# Altium PCB Prometheus.PcbDoc (part 1 of 2)
Units mm, origin at the board's own origin, x right, y up, seen from the top; angles counter-clockwise.
Board outline 87.63 x 93.35 mm, 2 copper layers (Top Layer, Bottom Layer), stack 1.58 mm thick; 78 components, 51 nets, 376 pads, 577 vias.
Unrouted connection lines stored in the file: 10.
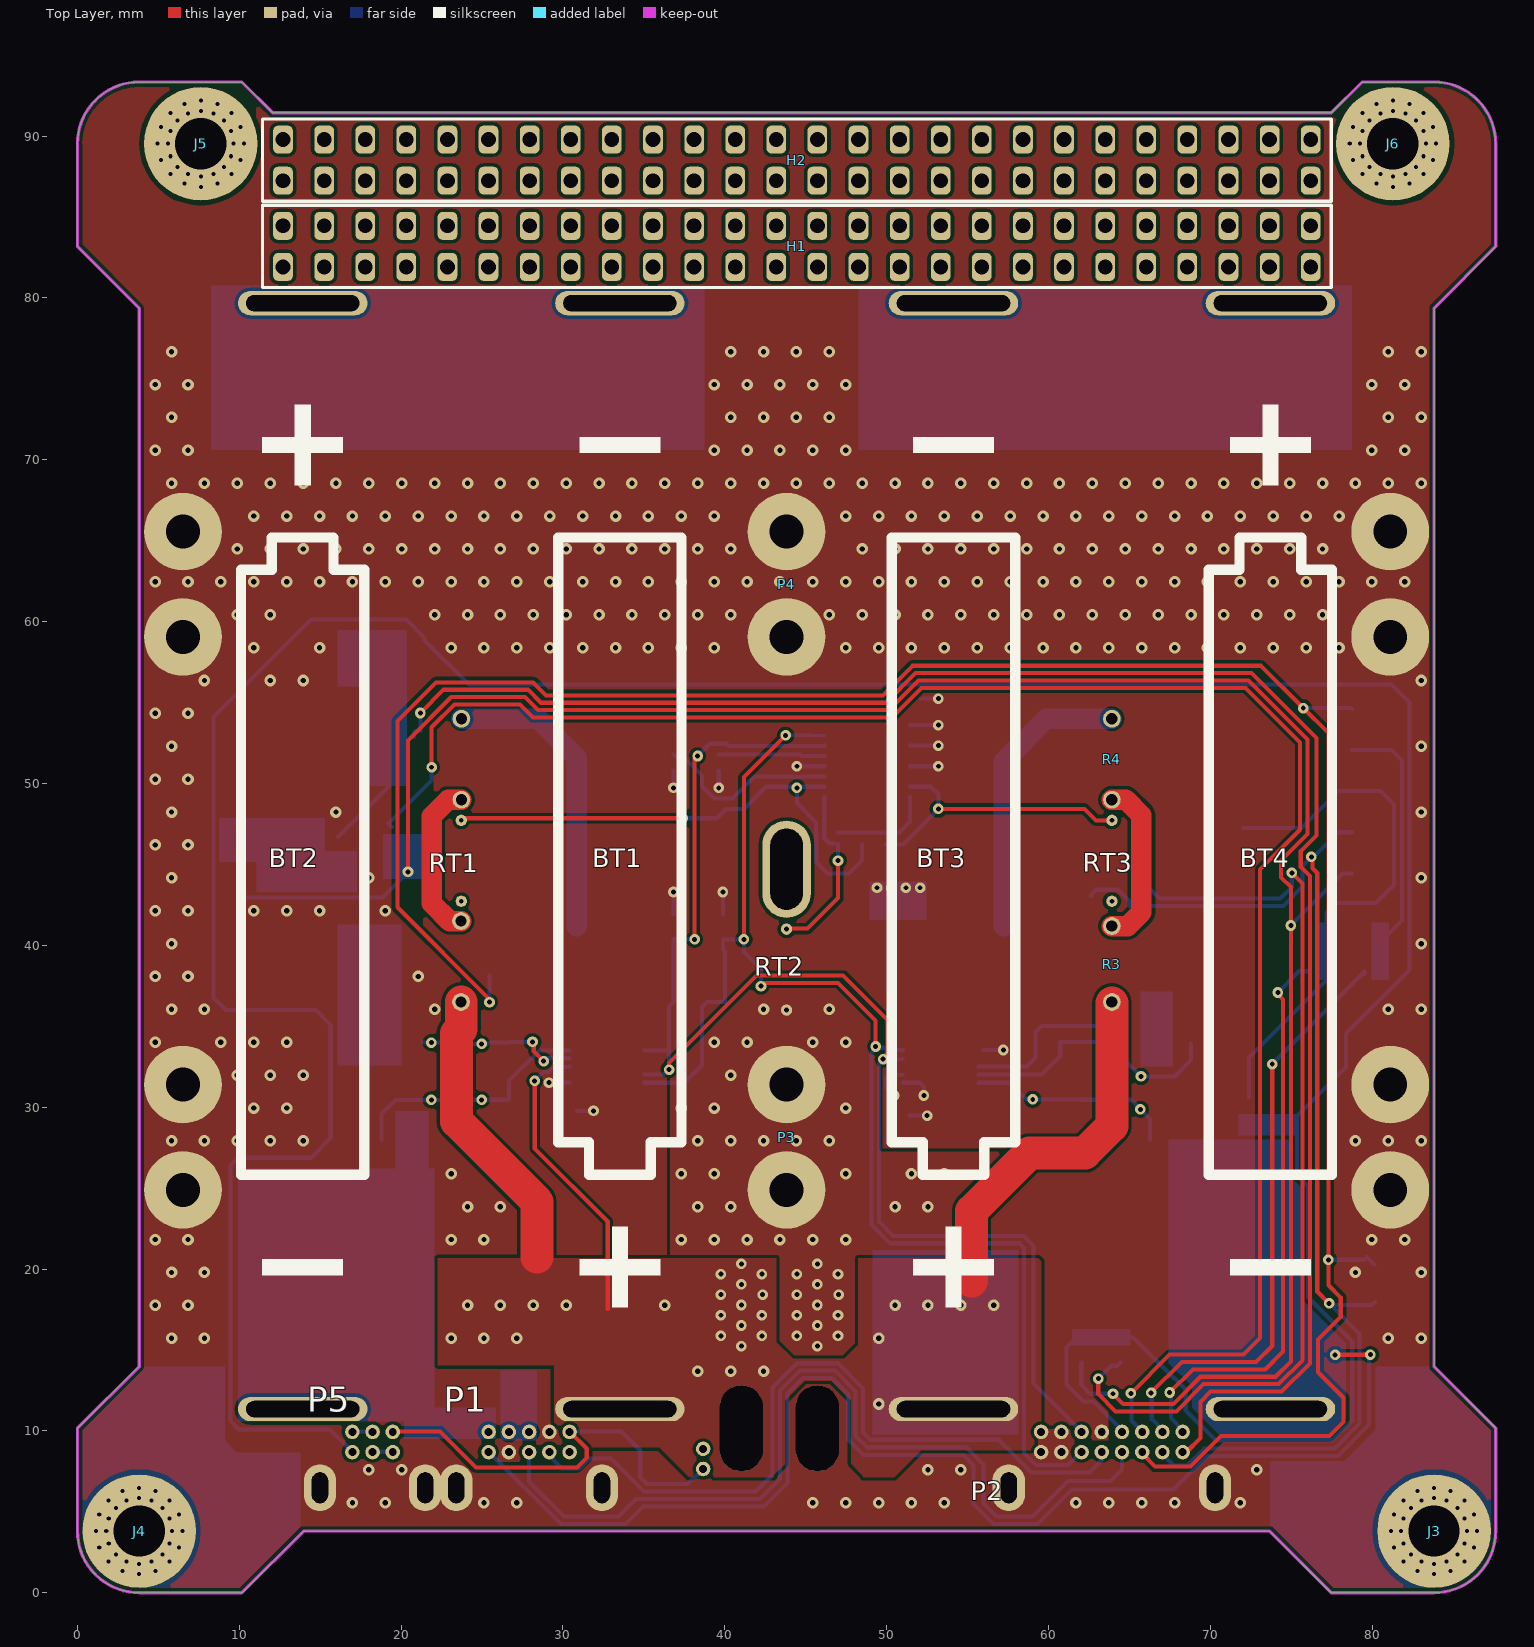
[diagram p0: Top Layer view]
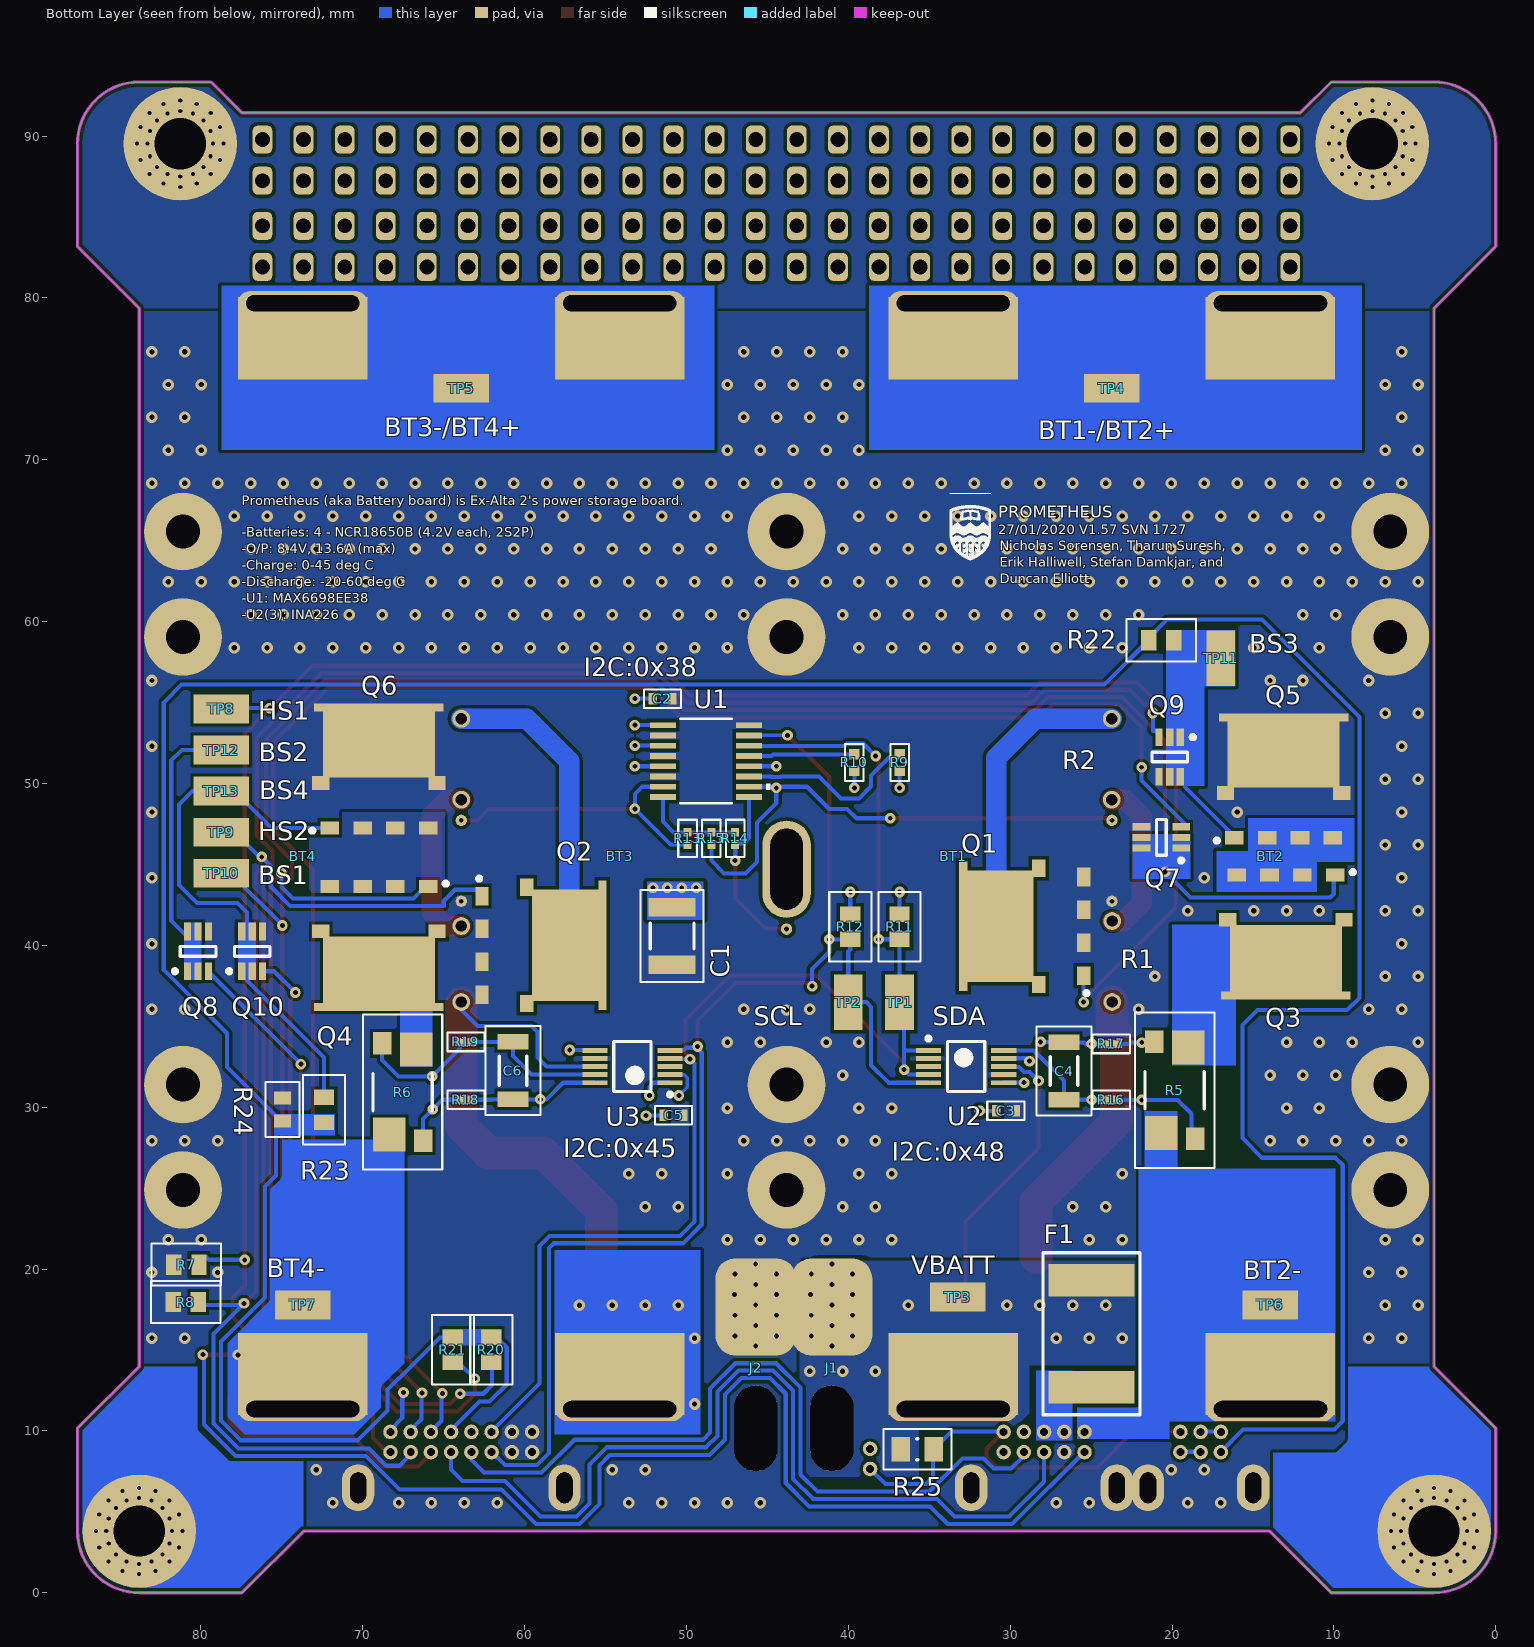
[diagram p1: Bottom Layer view, seen from below]
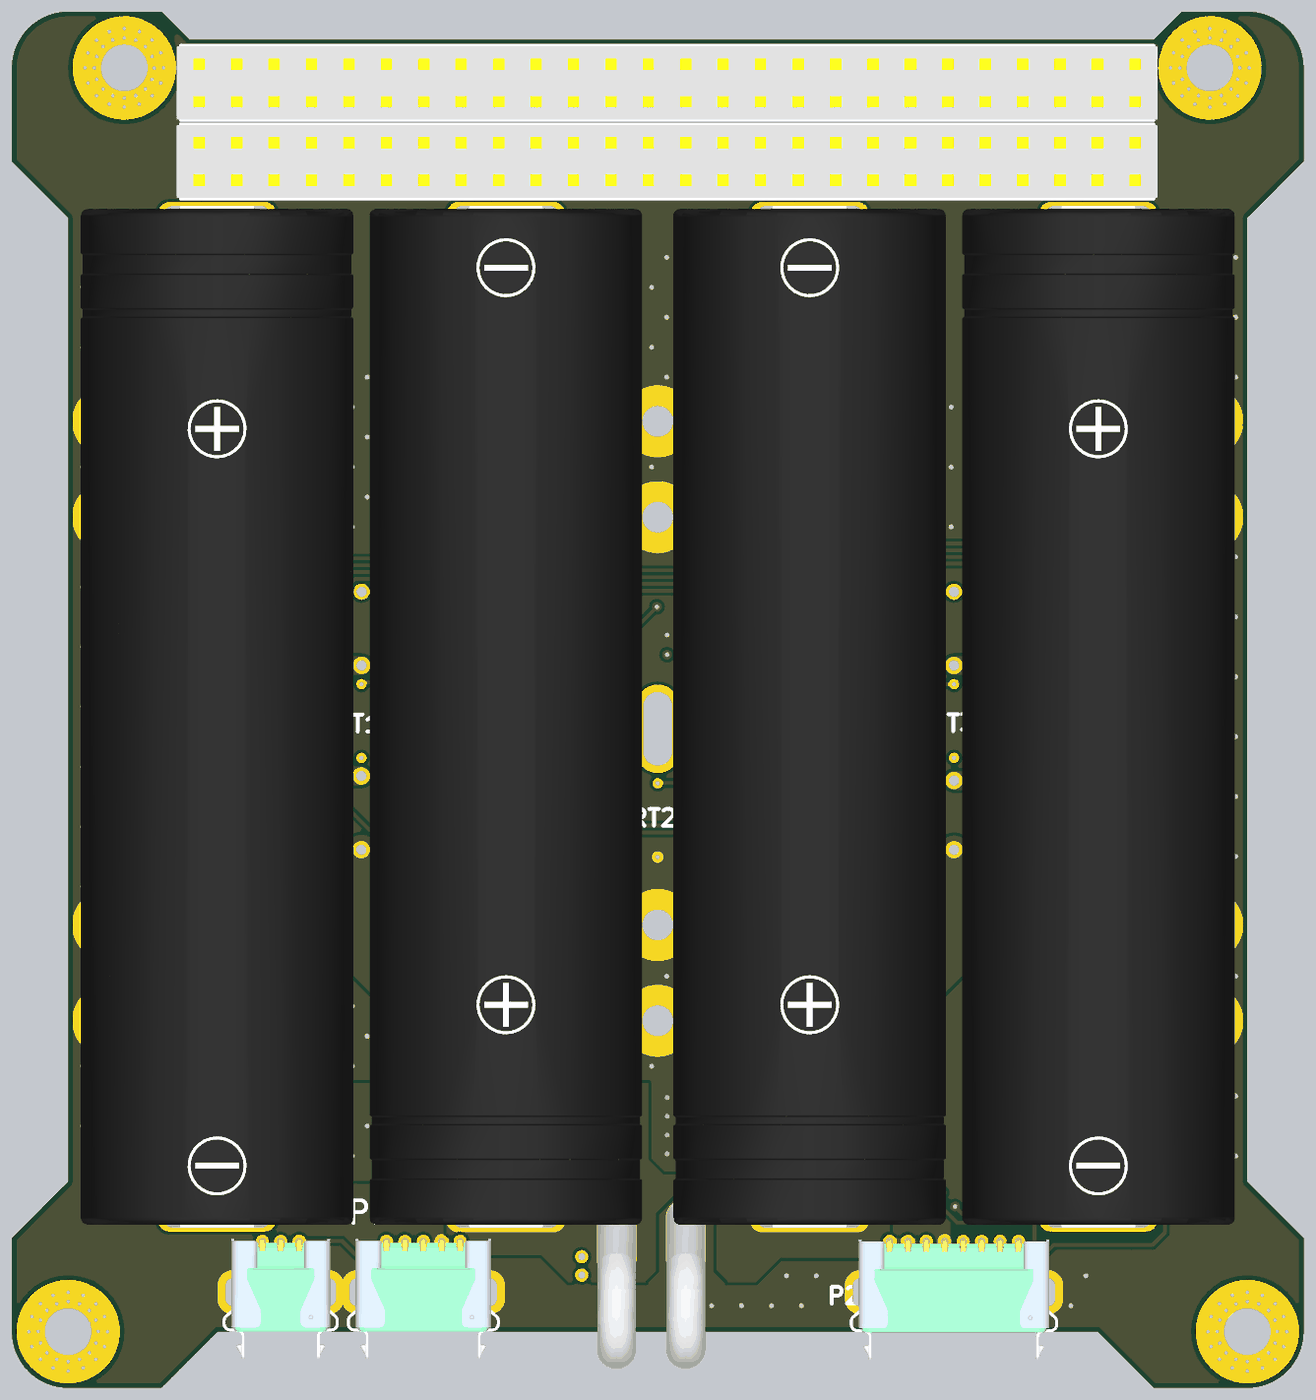
[diagram p3: 3D render of the assembled board from above, using the file's embedded part models]

## Layer stack, top to bottom
Top Solder: solder mask 0.0102, Solder Resist, Dk 3.5
Top Layer: signal copper 0.0711
Dielectric 1: dielectric 1.4376, FR-4, Dk 4.6
Bottom Layer: signal copper 0.0711
Bottom Solder: solder mask 0.0102, Solder Resist, Dk 3.5

## Board outline
0,3.81 ccw(c3.81,3.81) 3.81,0 10.16,0 13.97,3.81 73.66,3.81 77.47,0 83.82,0 ccw(c83.82,3.81) 87.63,3.81 87.63,10.16 83.82,13.97 83.82,79.375 87.63,83.185 87.63,89.535 ccw(c83.82,89.535) 83.82,93.345 79.375,93.345 77.47,91.44 12.065,91.44 10.16,93.345 3.81,93.345 ccw(c3.81,89.535) 0,89.535 0,83.185 3.81,79.375 3.81,13.97 0,10.16

## Design rules (kind name [scope] priority, off if disabled: settings)
AcuteAngle [All] p1 off: minimum=6.00000000000000E+0001 checktracksonly=FALSE
BoardOutlineClearance [All] p1: gap=0 ignorepadtopadclearanceinfootprint=FALSE
Clearance [All] p1: gap=0.203 ignorepadtopadclearanceinfootprint=FALSE
ComponentClearance [All] p1: gap=0 collisioncheckmode=3 verticalgap=0 showdistances=TRUE
Height HeightTop [OnLayer('Component Side')] p1: minheight=0 maxheight=7 prefheight=4
Height HeightBottom [OnLayer('Solder Side')] p2: minheight=0 maxheight=4 prefheight=4
HoleSize [All] p1: absolutevalues=TRUE maxlimit=10.16 minlimit=0.229 maxpercent=80.000 minpercent=20.000
MinimumAnnularRing [All] p1: minimumring=0.152
MinimumSolderMaskSliver [All] p1: minsoldermaskwidth=0.1
PlaneClearance [All] p1: clearance=0.254
PlaneConnect [All] p1: planeconnectstyle=Direct reliefexpansion=0.508 reliefentries=4 reliefconductorwidth=0.254 reliefairgap=0.254
PolygonConnect PolygonConnect_1 [IsVia] p1: connectstyle=Direct reliefconductorwidth=0.254 reliefentries=4 polygonreliefangle="90 Angle" airgapwidth=0.254
PolygonConnect [All] p2: connectstyle=Direct reliefconductorwidth=0.254 reliefentries=4 polygonreliefangle="90 Angle" airgapwidth=0.254
RoutingVias [All] p1: holewidth=0.25 width=0.655 viastyle="Through Hole" minholewidth=0.25 minwidth=0.655 maxholewidth=0.711 maxwidth=1.27
SMDEntry [All] p1: side=TRUE corner=TRUE anyangle=TRUE
SMDNeckDown [All] p1: percent=100.000
SMDToCorner [All] p1: distance=0
SMDToPlane [All] p1: distance=0
SilkToSilkClearance [All] p1 off: silktosilkclearance=0.152
SilkToSolderMaskClearance [IsPad] p1 off: minsilkscreentomaskgap=0.13 clearancetoexposedcopper=TRUE
SolderMaskExpansion [All] p1: expansion=0.038 istentingtop=FALSE
UnConnectedPin [All] p1 off:
UnRoutedNet [All] p1 off:
Width [All] p1: maxlimit=2.54 minlimit=0.203 preferedwidth=0.254 minimp=50.000000 maximp=50.000000 favimp=50.000000 checkconnectedcopper=TRUE
21 further rules are at their usual default settings.

## Classes and differential pairs
component class "Temperature Sensor": C2 R9 R10 R11 R12 R13 R14 R15 RT1 RT2 RT3 TP1 TP2 U1
component class Headers: C1 F1 H1 H2 J1 J2 P1 P2 P3 P4 P5
component class "Current Sensors": C3 C4 C5 C6 R16 R17 R18 R19 U2 U3
component class Prometheus: BS4 BT1 BT2 BT3 BT4 J3 J4 J5 J6 Q1 Q2 Q3 Q4 Q5 Q6 Q7 Q8 Q9 Q10 R1 R2 R3 R4 R5 R6 R7 R8 R20 R21 R22 R23 R24 R25 TP3 TP4 TP5 TP6 TP7 TP8 TP9 TP10 TP11 TP12 TP13

## Components (designator, comment, footprint, x,y, rotation, side; value= is the part's Value field where it differs from the comment)
BT1 "NCR18650PF" ORB-PROTECTED18650 33.515,11.35 r0 top
BT2 "NCR18650PF" ORB-PROTECTED18650 13.915,79.68 r180 top
BT3 "NCR18650PF" ORB-PROTECTED18650 54.127,11.35 r0 top
BT4 "NCR18650PF" ORB-PROTECTED18650 73.711,79.68 r180 top
C1 "Cap" TDK-CGA6P 50.886,40.573 r90 bottom value=47µF
C2 "Cap" TDK-CGA2B 51.486,55.245 r0 bottom value=0.1µF
C3 "Cap" TDK-CGA2B 30.265,29.772 r0 bottom value=0.1µF
C4 "Cap" TDK-CGA5L 26.67,32.233 r270 bottom value=0.1µF
C5 "Cap" TDK-CGA2B 50.798,29.508 r0 bottom value=0.1µF
C6 "Cap" TDK-CGA5L 60.724,32.258 r270 bottom value=0.1µF
F1 "PTC Resettable Fuse 16V 5A" 2920L500/16 24.97,16.002 r270 bottom
H1 "SSW-126-23-G-D" SSW-126-23-G-D 44.45,83.185 r90 top
H2 "SSW-126-23-G-D" SSW-126-23-G-D 44.45,88.519 r90 top
J1 "VBATT Solder Pad" VBATT-wire-pad 41.021,10.16 r180 bottom
J2 "GND Solder Pad" GND-WIRE-PAD 45.72,10.16 r180 bottom
J3 "PCB Mounting Hole" "PCB MOUNTING HOLE" 83.82,3.81 r0 top locked
J4 "PCB Mounting Hole" "PCB MOUNTING HOLE" 3.81,3.81 r0 top locked
J5 "PCB Mounting Hole" "PCB MOUNTING HOLE" 7.62,89.535 r180 top locked
J6 "PCB Mounting Hole" "PCB MOUNTING HOLE" 81.28,89.535 r0 top locked
P1 "G125-MH11005L1" HWN-G125-MH11005L1 27.906,9.31 r0 top
P2 "G125-MH11605L1" HWN-G125-MH11605L1 63.915,9.31 r0 top
P3 "Battery Clamp" "Battery Clamp" 43.815,28.144 r0 top locked
P4 "Battery Clamp" "Battery Clamp" 43.815,62.309 r0 top locked
P5 "G125-MH10605L1" HWN-G125-MH10605L1 18.233,9.31 r0 top
Q1 "SIJH440E" VSH-POWERPAK8X8L 29.1,41.175 r90 bottom
Q2 "SIJH440E" VSH-POWERPAK8X8L 59,40 r270 bottom
Q3 "SIJH440E" VSH-POWERPAK8X8L 12.959,40.713 r0 bottom
Q4 "SIJH440E" VSH-POWERPAK8X8L 69,40 r0 bottom
Q5 "SIJH440E" VSH-POWERPAK8X8L 13.109,50.284 r180 bottom
Q6 "SIJH440E" VSH-POWERPAK8X8L 69,50.896 r180 bottom
Q7 "SQ1470" VSH-SQ1470AEH#1 20.656,46.67 r0 bottom
Q8 "SQ1470" VSH-SQ1470AEH#2 80.178,39.624 r90 bottom
Q9 "SQ1470" VSH-SQ1470AEH#2 20.142,51.638 r270 bottom
Q10 "SQ1470" VSH-SQ1470AEH#2 76.835,39.624 r90 bottom
R1 "Res3" VSH-CPF1#1 23.698,41.5 r270 bottom value=21
R2 "Res3" VSH-CPF1#1 23.724,54 r270 bottom value=21
R3 "Res3" VSH-CPF1#2 63.915,41.193 r270 top value=21
R4 "Res3" VSH-CPF1#1 63.915,54 r270 top value=21
R5 "Res Sense" VSH-2512R4B 19.837,31.039 r270 bottom value=0.005
R6 "Res Sense" VSH-2512R4B 67.54,30.937 r90 bottom value=0.005
R7 "Res3" PANA-ERJ6EN 80.899,20.269 r180 bottom value=100k
R8 "Res3" PANA-ERJ6EN 80.937,17.958 r180 bottom value=100k
R9 "DNP" PANA-ERJ2G 36.83,51.3 r270 bottom
R10 "DNP" PANA-ERJ2G 39.624,51.3 r270 bottom
R11 "Res3" PANA-ERJ6EN 36.83,41.144 r270 bottom value=10k
R12 "Res3" PANA-ERJ6EN 39.878,41.144 r270 bottom value=10k
R13 "Res3" PANA-ERA2A 49.935,46.609 r90 bottom value=8.66k
R14 "Res3" PANA-ERA2A 46.99,46.609 r90 bottom value=8.66k
R15 "Res3" PANA-ERA2A 48.463,46.609 r90 bottom value=8.66k
R16 "Res3" PANA-ERA2A 23.755,30.458 r0 bottom value=10
R17 "Res3" PANA-ERA2A 23.755,33.909 r0 bottom value=10
R18 "Res3" PANA-ERA2A 63.627,30.462 r180 bottom value=10
R19 "Res3" PANA-ERA2A 63.627,34.033 r180 bottom locked value=10
R20 "Res3" PANA-ERJ6EN 62.062,15.006 r90 bottom value=100k
R21 "Res3" PANA-ERJ6EN 64.437,15.006 r270 bottom value=100k
R22 "Res3" PANA-ERJ6EN 20.663,58.852 r180 bottom value=100k
R23 "Res3" PANA-ERJ6EN 72.39,29.833 r270 bottom value=100k
R24 "Res3" VSH-0603MCT 74.955,29.859 r270 bottom value=10M
R25 "Res3" VSH-0805MCU 35.738,8.865 r180 bottom value=100
RT1 "Res Adj1" VSH-1M1002 23.715,42.726 r90 top value=10k
RT2 "Res Adj1" VSH-1M1002 43.815,36 r90 top value=10k
RT3 "Res Adj1" VSH-1M1002 63.915,42.726 r90 top value=10k
TP1 "5017" KS-5017#1 36.83,36.491 r90 bottom
TP2 "5017" KS-5017#1 40.005,36.491 r270 bottom
TP3 "5017" KS-5017#1 33.245,18.265 r180 bottom
TP4 "5017" KS-5017#1 23.715,74.422 r180 bottom
TP5 "5017" KS-5017#1 63.915,74.422 r180 bottom
TP6 "5017" KS-5017#1 13.915,17.78 r180 bottom locked
TP7 "5017" KS-5017#1 73.715,17.78 r180 bottom
TP8 "5017" KS-5017#2 81.28,54.841 r0 bottom
TP9 "5017" KS-5017#3 81.28,47.25 r180 bottom
TP10 "5017" KS-5017#4 81.28,44.654 r180 bottom
TP11 "5017" KS-5017#5 17.018,57.734 r90 bottom
TP12 "5017" KS-5017#6 81.28,52.241 r180 bottom
TP13 "5017" KS-5017#7 81.28,49.675 r180 bottom
U1 "Battery Board MAX6698" MAX-21-0055H-16 48.793,51.384 r180 bottom
U2 "Battery Board INA226 1" TI-DGS 32.722,32.512 r180 bottom
U3 "Batttery Board INA226 2" TI-DGS 53.34,32.512 r0 bottom

## Footprints (in the part's own frame and the unit in brackets; to place one, negate y for a bottom-side part, rotate by r counter-clockwise, add the part's x,y. Pads: shape width x height; smd on the part's side, far side on the other; paste and mask are expansions set on the pad)
2920L500/16 [mm]
  rect 2x5.3 smd: 1(-3.3,0) 2(3.3,0)
  silkscreen extent -5,-3 5,3, body extent -4.32,-2.73 4.32,2.73, height 1.6
"Battery Clamp" [mm] "Aluminum clamp"
  round 4.8 hole 2.1: 1(-37.3,3.25) 2(0,3.25) 3(37.3,3.25) 4(-37.3,-3.25) 5(0,-3.25) 6(37.3,-3.25)
  body extent -42.5,-6 42.5,6, height 24
GND-WIRE-PAD [mm] "GND WIRE"
  rrect50% 5x6 smd: 1(0,7.5)
  oval 2.65x5.3 hole 2.65 slot 5.3 at 90 deg: 2(0,0)
  body extent -1.31,-8.84 1.31,9.62, height 11.68
HWN-G125-MH10605L1 [mm] "Connector Header Through Hole, Right Angle 6 position 0.049\" (1.25mm)"
  round 0.9 hole 0.488: 1(-1.25,-0.625) 2(-1.25,0.625) 3(0,-0.625) 4(0,0.625) 5(1.25,-0.625) 6(1.25,0.625)
  oval 2x2.9 hole 1 slot 1.9 at 90 deg: 7(-3.25,-2.825) 8(3.25,-2.825)
  body extent -3.94,-7.34 3.94,0.85, height 5.51
HWN-G125-MH11005L1 [mm] "Connector Header Through Hole, Right Angle 10 position 0.049\" (1.25mm)"
  round 0.9 hole 0.488: 1(-2.5,-0.625) 2(-2.5,0.625) 3(-1.25,-0.625) 4(-1.25,0.625) 5(0,-0.625) 6(0,0.625) 7(1.25,-0.625) 8(1.25,0.625) 9(2.5,-0.625) 10(2.5,0.625)
  oval 2x2.9 hole 1 slot 1.9 at 90 deg: 11(-4.5,-2.825) 12(4.5,-2.825)
  body extent -5.19,-7.34 5.19,0.85, height 5.46
HWN-G125-MH11605L1 [mm] "Connector Header Through Hole, Right Angle 12 position 0.049\" (1.25mm)"
  round 0.9 hole 0.488: 1(-4.375,-0.625) 2(-4.375,0.625) 3(-3.125,-0.625) 4(-3.125,0.625) 5(-1.875,-0.625) 6(-1.875,0.625) 7(-0.625,-0.625) 8(-0.625,0.625) 9(0.625,-0.625) 10(0.625,0.625) 11(1.875,-0.625) 12(1.875,0.625) 13(3.125,-0.625) 14(3.125,0.625) 15(4.375,-0.625) 16(4.375,0.625)
  oval 2x2.9 hole 1 slot 1.9 at 90 deg: 17(-6.375,-2.825) 18(6.375,-2.825)
  body extent -7.07,-7.39 7.06,0.8, height 5.51
KS-5017#1 [mil] "Testpoint Lug Mini SMD 27X10X152"
  rect 135x70 smd: 1(0,0)
  body extent -53,-20 53,20, height 60
KS-5017#2 [mil] "Testpoint Lug Mini SMD 27X10X152"
  rect 135x70 smd: 1(-100,9.1)
  body extent -53,-20 53,20, height 60
KS-5017#3 [mil] "Testpoint Lug Mini SMD 27X10X152"
  rect 135x70 smd: 1(100,-10.22)
  body extent -53,-20 53,20, height 60
KS-5017#4 [mil] "Testpoint Lug Mini SMD 27X10X152"
  rect 135x70 smd: 1(100,-8.03)
  body extent -53,-20 53,20, height 60
KS-5017#5 [mil] "Testpoint Lug Mini SMD 27X10X152"
  rect 135x70 smd: 1(0,-1.1)
  body extent -53,-20 53,20, height 60
KS-5017#6 [mil] "Testpoint Lug Mini SMD 27X10X152"
  rect 135x70 smd: 1(100,-6.72)
  body extent -53,-20 53,20, height 60
KS-5017#7 [mil] "Testpoint Lug Mini SMD 27X10X152"
  rect 135x70 smd: 1(100,-5.72)
  body extent -53,-20 53,20, height 60
MAX-21-0055H-16 [mil] "SENSOR TEMPERATURE SMBUS 16QSOP"
  rect 63x14 smd: 1(-104.5,87.5) 2(-104.5,62.5) 3(-104.5,37.5) 4(-104.5,12.5) 5(-104.5,-12.5) 6(-104.5,-37.5) 7(-104.5,-62.5) 8(-104.5,-87.5) 9(104.5,-87.5) 10(104.5,-62.5) 11(104.5,-37.5) 12(104.5,-12.5) 13(104.5,12.5) 14(104.5,37.5) 15(104.5,62.5) 16(104.5,87.5)
  silkscreen extent -63,-103 156,103, body extent -92,-110 90,113, height 63
ORB-PROTECTED18650 [mm]
  oval 8x1.5 hole 1 slot 7 at 0 deg: 1(0,0) 2(0,68.33)
  rect 8.001x5.08 smd far side: 1(0,2.163) 2(0,66.167)
  silkscreen extent -3.81,6.26 3.81,60.06, body extent -9.32,-0.5 9.32,68.83, height 18.72
PANA-ERA2A [mm] "Chip Resistor, 2-Leads, Body 1.00x0.52mm, IPC High Density"
  rect 0.548x0.5 smd: 1(-0.376,0) 2(0.376,0)
  silkscreen extent -1.15,-0.58 1.15,0.58, body extent -0.55,-0.3 0.55,0.3, height 0.4
PANA-ERJ2G [mm] "Chip Resistor, 2-Leads, Body 1.00x0.50mm, IPC Low Density"
  rect 0.65x0.65 smd: 1(-0.5,0) 2(0.5,0)
  silkscreen extent -1.15,-0.58 1.15,0.58, body extent -0.53,-0.28 0.53,0.28, height 0.4
PANA-ERJ6EN [mm] "Chip Resistor, 2-Leads, Body 2.00x1.25mm, IPC High Density"
  rect 0.95x1.25 smd: 1(-0.775,0) 2(0.775,0)
  silkscreen extent -2.15,-1.3 2.15,1.3, body extent -1.1,-0.67 1.1,0.67, height 0.7
"PCB MOUNTING HOLE" [mil]
  round 276 hole 125: 1(0,0)
SSW-126-23-G-D [mm]
  rrect50% 1.72x1.215 hole 0.91: 1(-1.27,31.75) 2(1.27,31.75) 3(-1.27,29.21) 4(1.27,29.21) 5(-1.27,26.67) 6(1.27,26.67) 7(-1.27,24.13) 8(1.27,24.13) 9(-1.27,21.59) 10(1.27,21.59) 11(-1.27,19.05) 12(1.27,19.05) 13(-1.27,16.51) 14(1.27,16.51) 15(-1.27,13.97) 16(1.27,13.97) 17(-1.27,11.43) 18(1.27,11.43) 19(-1.27,8.89) 20(1.27,8.89) 21(-1.27,6.35) 22(1.27,6.35) 23(-1.27,3.81) 24(1.27,3.81) 25(-1.27,1.27) 26(1.27,1.27) 27(-1.27,-1.27) 28(1.27,-1.27) 29(-1.27,-3.81) 30(1.27,-3.81) 31(-1.27,-6.35) 32(1.27,-6.35) 33(-1.27,-8.89) 34(1.27,-8.89) 35(-1.27,-11.43) 36(1.27,-11.43) 37(-1.27,-13.97) 38(1.27,-13.97) 39(-1.27,-16.51) 40(1.27,-16.51) 41(-1.27,-19.05) 42(1.27,-19.05) 43(-1.27,-21.59) 44(1.27,-21.59) 45(-1.27,-24.13) 46(1.27,-24.13) 47(-1.27,-26.67) 48(1.27,-26.67) 49(-1.27,-29.21) 50(1.27,-29.21) 51(-1.27,-31.75) 52(1.27,-31.75)
  silkscreen extent -2.54,-33.02 2.54,33.02, body extent -2.48,-33.27 2.48,33.27, height 8.51
TDK-CGA2B [mm] "Chip Capacitor, 2-Leads, Body 1.00x0.50mm, IPC Low Density"
  rect 0.52x0.72 smd: 1(-0.6,0) 2(0.6,0)
  silkscreen extent -1.15,-0.58 1.15,0.58, body extent -0.52,-0.28 0.53,0.27, height 0.5
TDK-CGA5L [mm] "Chip Capacitor, 2-Leads, Body 3.20x1.60mm, IPC Low Density"
  rect 0.95x1.9 smd: 1(-1.775,0) 2(1.775,0)
  silkscreen extent -2.75,-1.7 2.75,1.7, body extent -1.7,-0.9 1.7,0.9, height 1.6
TDK-CGA6P [mm] "Chip Capacitor, 2-Leads, Body 3.20x2.50mm, IPC Low Density"
  rect 1.15x2.9 smd: 1(-1.775,0) 2(1.775,0)
  silkscreen extent -2.85,-1.95 2.85,1.95, body extent -1.8,-1.4 1.8,1.4, height 2.5
TI-DGS [mm] "TSSOP, 10-Leads, Body 3.00x3.00mm, Pitch 0.50mm, IPC Low Density"
  rect 1.55x0.297 smd: 1(-2.325,1) 2(-2.325,0.5) 3(-2.325,0) 4(-2.325,-0.5) 5(-2.325,-1) 6(2.325,-1) 7(2.325,-0.5) 8(2.325,0) 9(2.325,0.5) 10(2.325,1)
  silkscreen extent -2.45,-1.55 1.15,1.85, body extent -2.45,-1.55 2.45,1.55, height 1.1
VBATT-wire-pad [mm] "VBATT"
  rrect50% 5x6 smd: 1(0,7.5)
  oval 2.65x5.3 hole 2.65 slot 5.3 at 90 deg: 2(0,0)
  body extent -1.31,-8.84 1.31,9.62, height 11.68
VSH-1M1002 [mm]
  round 0.7 hole 0.3: 1(0,0) 2(5,0)
VSH-0603MCT [mm] "Chip Resistor, 2-Leads, Body 1.55x0.85mm, IPC Low Density"
  rect 0.8x1.05 smd: 1(-0.7,0) 2(0.7,0)
  silkscreen extent -1.7,-1.05 1.7,1.05, body extent -0.8,-0.48 0.8,0.48, height 0.55
VSH-0805MCU [mm] "Chip Resistor, 2-Leads, Body 2.00x1.25mm, IPC Low Density"
  rect 1.15x1.5 smd: 1(-1.025,0) 2(1.025,0)
  silkscreen extent -2.1,-1.25 2.1,1.25, body extent -1.05,-0.7 1.05,0.7, height 0.55
VSH-2512R4B [mm]
  rect 2.1x2.01 smd: 1(-2.635,0.835) 2(2.635,-0.835)
  rect 1.39x1.14 smd: 3(2.999,1.27) 4(-2.999,-1.27)
  silkscreen extent -4.8,-2.45 4.8,2.45
VSH-CPF1#1 [mm] "RESISTOR METAL FILM 1W 1.00K OHM"
  round 1.1 hole 0.7: 1(0,0) 2(5,0)
VSH-CPF1#2 [mm] "RESISTOR METAL FILM 1W 1.00K OHM"
  round 1.1 hole 0.7: 1(0,0) 2(4.693,0)
VSH-POWERPAK8X8L [mm]
  rect 1.15x0.82 smd: 1(-3.045,-3.64) 3(-1.015,-3.64) 3(1.015,-3.64) 3(3.045,-3.64)
  rect 1.07x0.85 smd: 2(-3.59,-0.865) 2(3.59,-0.865)
  rect 6.9x4.59 smd: 2(0,1.755)
  rect 8x0.5 smd: 2(0,3.8)
  silkscreen extent -4.25,-3.93 -4,-3.68, body extent -4,-4.06 4,4.06, height 1.9
VSH-SQ1470AEH#1 [mm] "SOT23, 6-Leads, Body 2.00x2.10mm, Pitch 0.65mm, IPC Low Density"
  rect 1.1x0.432 smd: 1(-1.225,0) 1(1.225,0)
  rect 1.1x0.45 smd: 1(-1.225,0.65) 1(1.225,0.65) 2(-1.225,-0.65) 3(1.225,-0.65)
  silkscreen extent -1.35,-1.1 0.3,1.55, body extent -1.3,-1.1 1.3,1.1, height 1.1
VSH-SQ1470AEH#2 [mm] "SOT23, 6-Leads, Body 2.00x2.10mm, Pitch 0.65mm, IPC Low Density"
  rect 1.1x0.45 smd: 1(-1.225,0) 1(-1.225,0.65) 1(1.225,0) 1(1.225,0.65)
  rect 1.1x0.432 smd: 2(-1.225,-0.65) 3(1.225,-0.65)
  silkscreen extent -1.35,-1.1 0.3,1.55, body extent -1.3,-1.1 1.3,1.1, height 1.1

## Part data
BT1 BT2 BT3 BT4: library part PBT-ORB-00001, "18650 Battery-Panasonic Protected 2900mAh NCR18650PF Li-ion inside-10 Amp Dual Protection", Capacity=2.9Ah, Manufacturer Part Number=BRB-2900, Voltage - Rated=3.6V, Battery Cell Size="18650 Protected", Index=1, LatestRevisionDate=5/24/2019, LatestRevisionNote=..., Part Number=PBT-ORB-00001, Published=5/24/2019, Publisher=AlbertaSat, Supplier 1=Orbtronic, Supplier Link=#https://www.orbtronic.com/batteries-chargers/protected-panasonic-18650-li-ion-battery-cell-ncr18650-protection-made-in-japan-top-button#, Supplier Part Number 1=BRB-2900
C1: library part PC-TDK-02951, "CAP CER 47UF 6.3V X7S 1210", Manufacturer Part Number=CGA6P1X7S0J476M250AC, Supplier Part Number 1=445-13045-1-ND, Temperature Coefficient=X7S, Tolerance=±20%, Voltage - Rated=6.3V, Applications=Automotive, Index=2951, LatestRevisionDate=3/16/2016, LatestRevisionNote=..., PackageDescription="Radial Cap, Thru-Hole; 2 Leads; 0.3 in Pin Spacing", PackageReference="1210 (3225 Metric)", Part Number=PC-TDK-02951, Published=3/16/2016, Publisher=AlbertaSat, Supplier 1=Digi-key, Supplier Link=http://www.digikey.ca/product-search/en?keywords=445-13045-1-ND
C2 C3 C5: library part PC-TDK-02262, "CAP CER 0.1UF 50V X7R 0402", Manufacturer Part Number=CGA2B3X7R1H104M050BB, Supplier Part Number 1=445-12271-1-ND, Temperature Coefficient=X7R, Tolerance=±20%, Voltage - Rated=50V, Applications=Automotive, Index=2262, LatestRevisionDate=3/16/2016, LatestRevisionNote=..., PackageDescription="Radial Cap, Thru-Hole; 2 Leads; 0.3 in Pin Spacing", PackageReference="0402 (1005 Metric)", Part Number=PC-TDK-02262, Published=3/16/2016, Publisher=AlbertaSat, Supplier 1=Digi-key, Supplier Link=http://www.digikey.ca/product-search/en?keywords=445-12271-1-ND
C4 C6: library part PC-TDK-02295, "CAP CER 0.1UF 50V NP0 1206", Manufacturer Part Number=CGA5L2NP01H104J160AA, Supplier Part Number 1=445-12839-1-ND, Temperature Coefficient=NP0, Tolerance=±5%, Voltage - Rated=50V, Applications=Automotive, Index=2295, LatestRevisionDate=3/16/2016, LatestRevisionNote=..., PackageDescription="Radial Cap, Thru-Hole; 2 Leads; 0.3 in Pin Spacing", PackageReference="1206 (3216 Metric)", Part Number=PC-TDK-02295, Published=3/16/2016, Publisher=AlbertaSat, Supplier 1=Digi-key, Supplier Link=http://www.digikey.ca/product-search/en?keywords=445-12839-1-ND
F1: library part PF-LTF-00001, "PTC RESET FUSE 16V 5A 2920", Manufacturer Part Number=2920L500/16MR, Supplier Part Number 1=F6136CT-ND, Index=1, LatestRevisionDate=7/23/2019, LatestRevisionNote=..., PackageDescription="Thru-Hole; 2 Leads", PackageReference="2920 (7351 Metric), Concave", Part Number=PF-LTF-00001, Published=7/23/2019, Publisher=AlbertaSat, Supplier 1=Digi-key, Supplier Link=https://www.digikey.ca/product-detail/en/littelfuse-inc/2920L500-16MR/F6136CT-ND/4147146
H1 H2: library part PP-SAM-00002, Index=3, LatestRevisionDate=6/7/2018, LatestRevisionNote=..., Manufacturer Part Number=SSW-126-23-G-D, Part Number=PP-SAM-00002, Published=6/7/2018, Publisher=AlbertaSat, Supplier 1=Samtec, Supplier Link=#https://www.samtec.com/products/ssw-126-23-g-d#, Supplier Part Number 1=SSW-126-23-G-D
J1 J2: library part "Pad I/O"
P1: library part PP-HWN-00015, "CONN HEADER R/A 10POS 1.25MM", Manufacturer Part Number=G125-MH11005L1P, Supplier Part Number 1=952-2696-ND, Index=15, LatestRevisionDate=2019-07-08, LatestRevisionNote=..., Part Number=PP-HWN-00015, Published=2019-07-08, Publisher=AlbertaSat, Supplier 1=Digi-key, Supplier 2=Mouser, Supplier Link=https://www.digikey.ca/products/en?keywords=952-2696-ND, Supplier Part Number 2=855-G125-MH11005L1P
P2: library part PP-HWN-00017, "CONN HEADER R/A 16POS 1.25MM", Manufacturer Part Number=G125-MH11605L1P, Supplier Part Number 1=952-2698-ND, Index=17, LatestRevisionDate=7/8/2019, LatestRevisionNote=..., Part Number=PP-HWN-00017, Published=7/8/2019, Publisher=AlbertaSat, Supplier 1=Digi-key, Supplier 2=Mouser, Supplier Link=https://www.digikey.ca/products/en?keywords=952-2698-ND, Supplier Part Number 2=855-G125-MH11605L1P
P5: library part PP-HWN-00014, "CONN HEADER R/A 6POS 1.25MM", Manufacturer Part Number=G125-MH10605L1P, Supplier Part Number 1=952-2695-ND, Index=14, LatestRevisionDate=2019-07-08, LatestRevisionNote=..., Part Number=PP-HWN-00014, Published=2019-07-08, Publisher=AlbertaSat, Supplier 1=Digi-key, Supplier 2=Mouser, Supplier Link=https://www.digikey.ca/products/en?keywords=952-2695-ND, Supplier Part Number 2=855-G125-MH10605L1P
Q1 Q2 Q3 Q4 Q5 Q6: library part PQ-VSH-00270, "NMOS-2", Manufacturer Part Number=SIJH440E-T1-GE3, Supplier Part Number 1=SIJH440E-T1-GE3CT-ND, ComponentLink1Description="Manufacturer Link", ComponentLink1URL=http://www.irf.com/, DatasheetVersion=PD-9.814, Index=270, LatestRevisionDate=2019-05-24, LatestRevisionNote=..., Note="Pin 2 is electrically connected to pin 4.", PackageDescription="TO, Thru-Hole, Vertical, Heatsink Mounted; 3 In-Line Leads; Pitch 2.54 mm", PackageReference=VSH-POWERPAK8X8L, PackageVersion=Feb-1997, Part Number=PQ-VSH-00270, Published=2019-05-24, Publisher=AlbertaSat, Supplier 1=Digi-key, Supplier 2=Mouser, Supplier Link=#https://www.digikey.ca/product-detail/en/vishay-siliconix/SIJH440E-T1-GE3/SIJH440E-T1-GE3CT-ND/6709032#, Supplier Part Number 2=78-SIJH440E-T1-GE3
Q7 Q8 Q9 Q10: library part PQ-VSH-00227, "MOSFET N-CH 30V 2.8A SC70", Manufacturer Part Number=SQ1470AEH-T1_GE3, Supplier Part Number 1=SQ1470AEH-T1_GE3CT-ND, Applications=Automotive, Index=227, LatestRevisionDate=7/12/2017, LatestRevisionNote=..., PackageDescription="SOT23, 6-Leads, Body 2.00x2.10mm, Pitch 0.65mm, IPC Low Density", PackageReference=VSH-SOT363, PackageVersion=1995/1996, Part Number=PQ-VSH-00227, Published=7/12/2017, Publisher=AlbertaSat, Supplier 1=Digi-key, Supplier 2=Mouser, Supplier Link=#https://www.digikey.ca/product-detail/en/vishay-siliconix/SQ1470AEH-T1_GE3/SQ1470AEH-T1_GE3CT-ND/6595360#, Supplier Part Number 2=78-SQ1470AEH-T1_GE3
R1 R2 R3 R4: library part PR-VSH-00269, "21 Ohms ±1% 1W Through Hole Resistor Axial Flame Proof, Moisture Resistant, Safety Metal Film", Manufacturer Part Number=CPF121R000FKEE6, Power - Rated=1W, Supplier Part Number 1=CPF21.0CCT-ND, Temperature Coefficient=±100ppm/°C, Tolerance=±1%, Applications=Automotive, Index=269, LatestRevisionDate=3/27/2019, LatestRevisionNote=..., PackageDescription="RESISTOR METAL FILM 1W 21.0 OHM", PackageReference=VSH-CPF1, Part Number=PR-VSH-00269, Published=3/27/2019, Publisher=AlbertaSat, Supplier 1=Digi-key, Supplier Link=https://www.digikey.ca/products/en/resistors/through-hole-resistors/53?k=cpf1&k=&pkeyword=cpf1&sv=0&pv1989=0&pv2085=u21+Ohms&sf=0&FV=ffe00035&quantity=&ColumnSort=0&page=1&stock=1&pageSize=25
R5 R6: library part PR-VSH-00234, "RES SMD 0.005 OHM 0.1% 1W 2512", Manufacturer Part Number=Y14870R00500B9R, Power - Rated=1W, Supplier Part Number 1=804-1043-1-ND, Temperature Coefficient=±15ppm/°C, Tolerance=±0.1%, Applications=Automotive, Index=234, LatestRevisionDate=2017-07-12, LatestRevisionNote=..., PackageReference=VSH-2512R4B, Part Number=PR-VSH-00234, Published=2017-07-12, Publisher=AlbertaSat, Supplier 1=Digi-key, Supplier 2=Mouser, Supplier Link=http://www.digikey.ca/product-search/en?keywords=804-1043-1-ND, Supplier Part Number 2=71-CSM25120R0050BST
R7 R8 R20 R21 R22 R23: library part 18749, "RES SMD 100K OHM 1% 1/8W 0805", Manufacturer Part Number=ERJ-6ENF1003V, Power="0.125W, 1/8W", Supplier Part Number 1=P100KCCT-ND, Temperature Coefficient=±100ppm/°C, Tolerance=±1%, LatestRevisionDate=29-May-2009, LatestRevisionNote="IPC-7351 Footprint Added.", PackageDescription="Chip Resistor, 2-Leads, Body 2.00x1.25mm, IPC Low Density", PackageReference="0805 (2012 Metric)", Part Number=18749, Published=8-Jun-2000, Publisher="Altium Limited", Supplier 1=Digi-Key, Supplier Link=http://www.digikey.ca/product-search/en?keywords=P100KCCT-ND
R9 R10: library part 19766, PackageDescription="Chip Resistor, 2-Leads, Body 1.00x0.50mm, IPC Low Density", PackageReference="0402 (1005 Metric)", Part Number=19766
R11 R12: library part 17208, "RES SMD 10K OHM 1% 1/8W 0805", Manufacturer Part Number=ERJ-6ENF1002V, Power="0.125W, 1/8W", Supplier Part Number 1=P10.0KCCT-ND, Temperature Coefficient=±100ppm/°C, Tolerance=±1%, LatestRevisionDate=29-May-2009, LatestRevisionNote="IPC-7351 Footprint Added.", PackageDescription="Chip Resistor, 2-Leads, Body 2.00x1.25mm, IPC Low Density", PackageReference="0805 (2012 Metric)", Part Number=17208, Published=8-Jun-2000, Publisher="Altium Limited", Supplier 1=Digi-Key, Supplier Link=https://www.digikey.com/product-detail/en/panasonic-electronic-components/ERJ-6ENF1002V/P10.0KCCT-ND/119248
R13 R14 R15: library part 17098, "RES SMD 8.66KOHM 0.1% 1/16W 0402", Manufacturer Part Number=ERA-2ARB8661X, Power="0.063W, 1/16W", Supplier Part Number 1=P18123CT-ND, Temperature Coefficient=±10ppm/°C, Tolerance=±0.1%, LatestRevisionDate=29-May-2009, LatestRevisionNote="IPC-7351 Footprint Added.", PackageDescription="Chip Resistor, 2-Leads, Body 1.00x0.50mm, IPC Low Density", PackageReference="0402 (1005 Metric)", Part Number=17098, Published=8-Jun-2000, Publisher="Altium Limited", Supplier 1=Digi-Key, Supplier Link=http://www.digikey.ca/product-search/en?keywords=P18123CT-ND
R16 R17 R18 R19: library part 13235, "RES SMD 10 OHM 0.5% 1/16W 0402", Manufacturer Part Number=ERA-2AKD100X, Power="0.063W, 1/16W", Supplier Part Number 1=P10DDCT-ND, Temperature Coefficient=±100ppm/°C, Tolerance=±0.5%, LatestRevisionDate=29-May-2009, LatestRevisionNote="IPC-7351 Footprint Added.", PackageDescription="Chip Resistor, 2-Leads, Body 1.00x0.50mm, IPC Low Density", PackageReference="0402 (1005 Metric)", Part Number=13235, Published=8-Jun-2000, Publisher="Altium Limited", Supplier 1=Digi-Key, Supplier Link=http://www.digikey.ca/product-search/en?keywords=P10DDCT-ND
R24: library part PR-VSH-00224, "RES SMD 10M OHM 1% 1/8W 0603", Manufacturer Part Number=MCT06030C1005FP500, Power - Rated=1/8W, Supplier Part Number 1=MCT0603-10.0M-CFCT-ND, Temperature Coefficient=±50ppm/°C, Tolerance=±1%, Applications="General Purpose", Index=224, LatestRevisionDate=3/14/2016, LatestRevisionNote=..., PackageDescription="Chip Resistor, 2-Leads, Body 1.55x0.85mm, IPC Low Density", PackageReference="0603 (1608 Metric)", Part Number=PR-VSH-00224, Published=3/14/2016, Publisher=AlbertaSat, Supplier 1=Digi-key, Supplier Link=http://www.digikey.ca/product-search/en?keywords=MCT0603-10.0M-CFCT-ND
R25: library part PR-VSH-00029, "RES SMD 100 OHM 1% 1/5W 0805", Manufacturer Part Number=MCU08050C1000FP500, Power - Rated=1/5W, Supplier Part Number 1=MCU0805-100-CFCT-ND, Temperature Coefficient=±50ppm/°C, Tolerance=±1%, Applications="General Purpose", Index=29, LatestRevisionDate=3/14/2016, LatestRevisionNote=..., PackageDescription="Chip Resistor, 2-Leads, Body 2.00x1.25mm, IPC Low Density", PackageReference="0805 (2012 Metric)", Part Number=PR-VSH-00029, Published=3/14/2016, Publisher=AlbertaSat, Supplier 1=Digi-key, Supplier Link=http://www.digikey.ca/product-search/en?keywords=MCU0805-100-CFCT-ND
RT1 RT2 RT3: library part PRT-VSH-00266, "NTC THERMISTOR 10K OHM 5% BEAD", Manufacturer Part Number=01M1002JF, Power - Rated=75mW, Supplier Part Number 1=541-1074-ND, Tolerance=±5%, Index=266, LatestRevisionDate=5/26/2018, LatestRevisionNote=..., PackageDescription="NTC THERMISTOR 10K OHM 5% BEAD", PackageReference=VSH-1M1002, Part Number=PRT-VSH-00266, Published=5/26/2018, Publisher=AlbertaSat, Set Position=0.5, Supplier 1=Digi-key, Supplier 2=Mouser, Supplier Link=https://www.digikey.ca/product-detail/en/vishay-dale/01M1002JF/541-1074-ND/1427053, Supplier Part Number 2=71-1M1002-A3
TP1 TP2 TP3 TP4 TP5 TP6 TP7 TP8 TP9 TP11 TP12 TP13: library part PTP-KS-00001, "PC TEST POINT MINI SMD", Supplier Part Number 1=36-5017CT-ND, Index=1, LatestRevisionDate=3/15/2016, LatestRevisionNote=..., Manufacturer Part Number=5017, PackageDescription="Testpoint Lug Mini SMD 27X10X152", PackageReference=KS-5017, Part Number=PTP-KS-00001, Published=3/15/2016, Publisher=AlbertaSat, Supplier 1=Digi-key, Supplier 2=Newark, Supplier 3=Mouser, Supplier Link=http://www.digikey.ca/product-detail/en/keystone-electronics/5017/36-5017TR-ND/2217304
TP10: library part PTP-KS-00001, "3", Supplier Part Number 1=36-5017CT-ND, Index=1, LatestRevisionDate=3/15/2016, LatestRevisionNote=..., Manufacturer Part Number=5017, PackageDescription="Testpoint Lug Mini SMD 27X10X152", PackageReference=KS-5017, Part Number=PTP-KS-00001, Published=3/15/2016, Publisher=AlbertaSat, Supplier 1=Digi-key, Supplier 2=Newark, Supplier 3=Mouser, Supplier Link=http://www.digikey.ca/product-detail/en/keystone-electronics/5017/36-5017TR-ND/2217304
U1: library part PU-MAX-00004, "SENSOR TEMPERATURE SMBUS 16QSOP - MAX6698EE38", Manufacturer Part Number=MAX6698EE38+T, Supplier Part Number 1=MAX6698EE38+TCT-ND, Index=4, LatestRevisionDate=6/7/2018, LatestRevisionNote=..., PackageDescription="QSOP, 16-Leads,", PackageReference=16-QSOP, Part Number=PU-MAX-00004, Published=6/7/2018, Publisher=AlbertaSat, Supplier 1=Digi-key, Supplier Link=https://www.digikey.ca/product-detail/en/maxim-integrated/MAX6698EE38-T/MAX6698EE38-TCT-ND/2776890
U2 U3: library part 19, "IC MONITOR PWR/CURR BIDIR 10MSOP", Manufacturer Part Number=INA226AQDGSRQ1, Supplier Part Number 1=296-42503-1-ND, PackageReference=TI-MSOP10, Part Number=19, Supplier 1=Digi-Key, Supplier 2=Mouser, Supplier Link=https://www.digikey.com/product-detail/en/texas-instruments/INA226AQDGSRQ1/296-42503-1-ND/5416001, Supplier Part Number 2=595-INA226AQDGSRQ1

## Free pads (board coordinates)
  oval 3x6 hole 2 slot 5 at 90 deg: 5(43.815,44.704)
  round 0.9 hole 0.488: 6(38.659,7.645) 6(38.659,8.89)

## Via types
v1: diameter 0.711, hole 0.33, Top Layer to Bottom Layer, tented both sides, 363 vias
v2: diameter 0.655, hole 0.25, Top Layer to Bottom Layer, tented both sides, 128 vias
v3: diameter 0.655, hole 0.305, Top Layer to Bottom Layer, tented both sides, 86 vias

## Nets (pads, with @x,y where several pads share a name; then routed paths per layer and width w, separated by ;. In a path a pad name is that pad's centre, name@x,y a point inside that pad or via, vN(x,y) a via of type N, cw(c..) or ccw(c..) an arc to the next point about the centre after c; other vN are vias at no path point)
3V3: C1.2 C2.2 C3.2 C5.2 P2.8 R9.2 R10.2 R11.1 R12.1 U1.1 U1.3 U1.5 U1.12 U2.6 U3.1 U3.2 U3.6 | length 21.9
  Bottom Layer w0.203: v3(50.469,30.725) 49.948,31.246 49.948,31.814 50.146,32.012 U3.2@51.015,32.012
  Bottom Layer w0.254: v3(29.134,31.521) 30.388,31.521 U2.6@30.397,31.512 ; C3.2@30.865,29.772 v3(31.885,29.772) ; R11.1@36.83,41.923 v3(36.83,43.294) v3@36.83,43.298 ; v3(36.83,49.732) R9.2@36.83,50.8 ; v3(39.624,49.732) R10.2@39.624,50.8 ; R12.1@39.878,41.919 v3(39.878,43.294) ; v3(44.45,51.067) U1.12@46.139,51.067 ; U3.1@51.015,31.512 52.041,31.512 52.295,31.258 v3(52.295,30.725) ; C5.2@51.398,29.483 v3(52.502,29.483) ; U1.5@51.448,51.067 v3(53.19,51.067) ; U1.3@51.448,52.337 v3(53.19,52.337) ; U1.1@51.448,53.607 v3(53.19,53.607) ; C2.2@52.086,55.245 v3(53.19,55.245) ; U3.6@55.98,33.531 v3(57.212,33.531)
  other v3: 49.403,43.561 50.292,43.561 51.181,43.561 52.07,43.561
BATTERYSWITCH1: P2.12 Q7.2 | length 113.9
  Top Layer w0.254: v3(21.881,51.003) 21.881,53.476 23.285,54.881 27.347,54.881 28.151,54.077 50.336,54.077 52.162,55.902 72.167,55.902 75.536,52.533 75.536,47.142 73.079,44.685 73.079,15.751 72.044,14.716 67.484,14.716 v3(65.087,12.319)
  Bottom Layer w0.254: Q7.2@19.431,47.32 19.226,47.525 21.881,50.18 v3(21.881,51.003) ; v3(65.087,12.319) 65.126,12.28 65.126,10.626 P2.12@65.79,9.961
BATTERYSWITCH2: P2.14 Q8.2 | length 37
  Top Layer w0.254: v3(66.345,12.344) 66.345,12.36 68.244,14.259 72.831,14.259 73.822,15.25 v3(73.822,32.664)
  Bottom Layer w0.254: v3(66.345,12.344) 66.38,12.309 66.38,10.72 67.04,10.06 P2.14@67.04,9.961 ; v3(73.822,32.664) 79.528,38.37 Q8.2@79.528,38.22
BATTERYSWITCH3: P2.15 Q9.2 | length 111.3
  Top Layer w0.254: v3(21.184,54.356) 22.623,55.795 27.847,55.795 28.651,54.991 49.957,54.991 51.783,56.817 72.545,56.817 76.556,52.807 76.556,46.787 75.587,45.818 75.587,44.85 76.146,44.291 76.146,14.173 74.404,12.43 70.013,12.43 69.381,11.797 69.381,9.551 68.541,8.711 P2.15@68.29,8.711
  Bottom Layer w0.254: Q9.2@20.792,52.863 20.792,53.166 20.881,53.255 21.184,53.255 v3(21.184,54.356)
BATTERYSWITCH4: P2.16 Q10.2 | length 35.4
  Top Layer w0.254: v3(67.488,12.37) 68.92,13.802 73.39,13.802 74.48,14.891 74.48,36.645 v3@74.295,36.83
  Bottom Layer w0.254: v3(67.488,12.37) 67.564,12.293 67.564,10.786 68.29,10.06 P2.16@68.29,9.961 ; v3(74.168,37.084) 75.483,38.399 Q10.2@76.185,38.399
BT2-: BT2.2 P1.2 R5.2 TP6.1
BT4-: BT4.2 P1.1 R6.1 TP7.1 | length 79.1
  Top Layer w0.254: v3(77.713,14.695) 77.719,14.701 79.877,14.701 v3(79.883,14.707)
  Bottom Layer w0.254: P1.1@25.406,8.711 29.876,4.242 33.858,4.242 34.95,5.334 42.418,5.334 43.866,6.782 43.866,12.294 44.835,13.263 46.605,13.263 47.625,12.243 47.625,9.457 48.578,8.504 54.742,8.504 55.372,7.874 55.372,5.475 56.605,4.242 59.309,4.242 61.443,6.375 67.73,6.375 69.813,8.458 77.874,8.458 79.806,10.39 79.806,14.63 v3(79.883,14.707)
Chassis_GND_1: J3.1
  other v2: 83.82,1.143 82.799,1.346 84.841,1.346 83.82,1.778 81.934,1.924 83.042,1.933 84.598,1.933 85.706,1.924 82.383,2.373 85.257,2.373 81.356,2.789 86.284,2.789 81.943,3.032 85.697,3.032 81.153,3.81 81.788,3.81 85.852,3.81 86.487,3.81 81.943,4.588 85.697,4.588 81.356,4.831 86.284,4.831 82.383,5.247 85.257,5.247 81.934,5.696 83.042,5.687 84.598,5.687 85.706,5.696 83.82,5.842 82.799,6.274 84.841,6.274 83.82,6.477
Chassis_GND_2: J4.1
  other v2: 3.81,1.143 2.789,1.346 4.831,1.346 3.81,1.778 1.924,1.924 3.032,1.933 4.588,1.933 5.696,1.924 2.373,2.373 5.247,2.373 1.346,2.789 6.274,2.789 1.933,3.032 5.687,3.032 1.143,3.81 1.778,3.81 5.842,3.81 6.477,3.81 1.933,4.588 5.687,4.588 1.346,4.831 6.274,4.831 2.373,5.247 5.247,5.247 1.924,5.696 3.032,5.687 4.588,5.687 5.696,5.696 3.81,5.842 2.789,6.274 4.831,6.274 3.81,6.477
Chassis_GND_3: J5.1 J6.1
  other v2: 7.62,86.868 81.28,86.868 6.599,87.071 8.641,87.071 80.259,87.071 82.301,87.071 7.62,87.503 81.28,87.503 5.734,87.649 6.842,87.658 8.398,87.658 9.506,87.649 79.394,87.649 80.502,87.658 82.058,87.658 83.166,87.649 6.183,88.098 9.057,88.098 79.843,88.098 82.717,88.098 5.156,88.514 10.084,88.514 78.816,88.514 83.744,88.514 5.743,88.757 9.497,88.757 79.403,88.757 83.157,88.757 4.953,89.535 5.588,89.535 9.652,89.535 10.287,89.535 78.613,89.535 79.248,89.535 83.312,89.535 83.947,89.535 5.743,90.313 9.497,90.313 79.403,90.313 83.157,90.313 5.156,90.556 10.084,90.556 78.816,90.556 83.744,90.556 6.183,90.972 9.057,90.972 79.843,90.972 82.717,90.972 5.734,91.421 6.842,91.412 8.398,91.412 9.506,91.421 79.394,91.421 80.502,91.412 82.058,91.412 83.166,91.421 7.62,91.567 81.28,91.567 6.599,91.999 8.641,91.999 80.259,91.999 82.301,91.999 7.62,92.202 81.28,92.202
DDJ_RBF: P1.5 P2.9 | length 55.3
  Bottom Layer w0.254: P1.5@27.906,8.711 P1.5@27.906,8.685 27.906,6.858 30.06,4.705 33.432,4.705 34.519,5.791 42.164,5.791 43.409,7.036 43.409,12.483 44.646,13.72 46.794,13.72 48.082,12.432 48.082,9.69 48.781,8.992 54.901,8.992 55.982,7.911 55.982,5.512 56.789,4.705 59.01,4.705 61.214,6.909 63.83,6.909 64.54,7.619 P2.9@64.54,8.685 P2.9@64.54,8.711
DEPLOY_SW: P1.9 P2.10 P5.1 pad.6@38.659,8.89 R20.2 R21.1 R22.1 R23.2 R24.2 | length 219.1
  Top Layer w0.254: pad.6@38.584,8.761 pad.6@38.659,8.89
  Bottom Layer w0.254: P5.1@16.983,8.711 15.61,10.084 9.966,10.084 9.449,10.601 9.449,26.416 9.906,26.873 14.427,26.873 15.646,28.092 15.646,35.077 14.726,35.998 9.182,35.998 8.847,36.333 8.822,36.333 8.404,36.752 8.404,54.096 14.429,60.122 20.318,60.122 21.438,59.002 R22.1@21.438,58.852 24.181,56.109 81.204,56.109 82.296,55.016 82.296,38.481 78.385,34.57 78.385,32.487 R24.2@74.955,29.058 ; R20.2@62.062,15.781 61.729,15.781 61.107,15.158 61.107,12.868 62.164,11.811 62.789,11.811 64.54,10.06 P2.10@64.54,9.961 ; R21.1@64.437,15.781 65.22,15.781 67.767,13.233 67.806,13.233 68.478,12.561 68.478,11.252 70.307,9.423 77.546,9.423 78.768,10.645 78.768,15.526 76.048,18.247 76.048,25.095 75.362,25.781 75.362,28.372 74.974,28.759 74.955,28.759 R24.2@74.955,29.058 ; P2.10@64.47,10.06 P2.10@64.505,10.095 ; 73.581,28.804 74.701,28.804 R24.2@74.955,29.058 ; R24.2@74.955,29.159 R24.2@74.955,29.058